# Altium PCB SEC_3002_DZ&HL.PcbDoc (part 6 of 7)
Units mm, origin at the board's own origin, x right, y up, seen from the top; angles counter-clockwise.
Board outline 200 x 170 mm, 2 copper layers (Top Layer, Bottom Layer); 589 components, 413 nets, 1696 pads, 1215 vias.
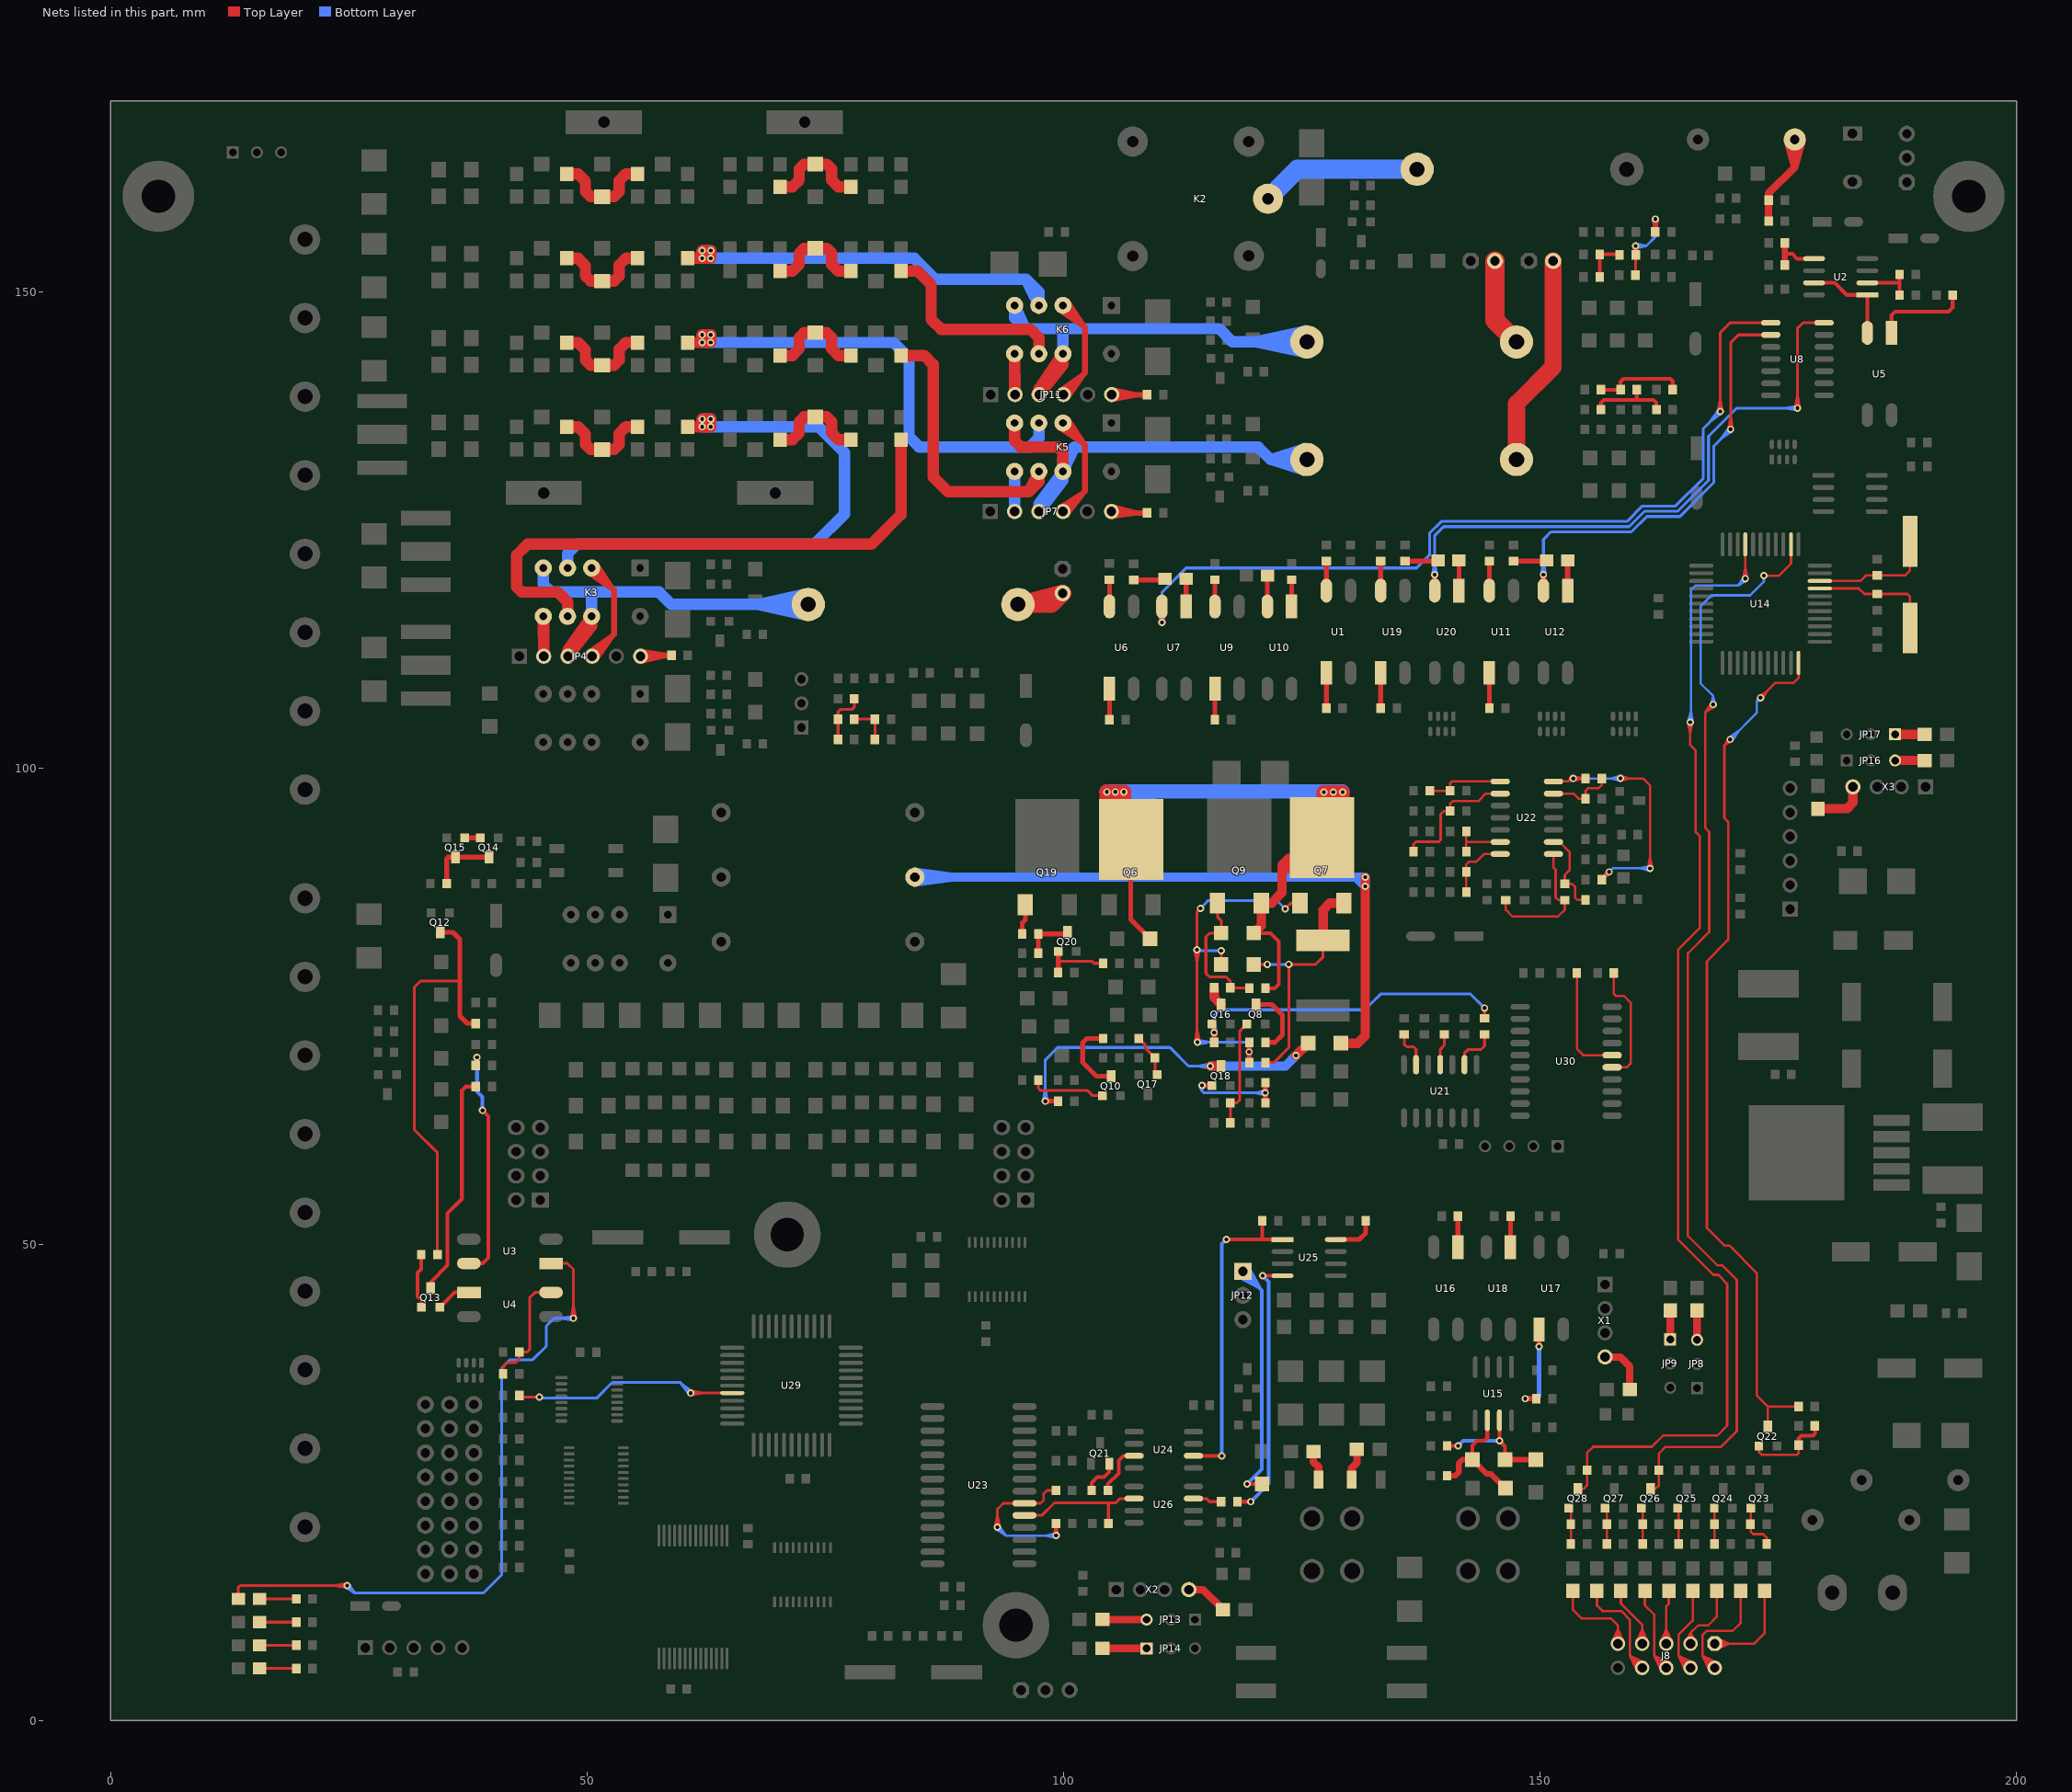
[diagram p6: the nets of this part, all layers, seen from the top]

## Via types
v1: diameter 0.762, hole 0.406, Top Layer to Bottom Layer, tented both sides, 786 vias
v2: diameter 0.7, hole 0.4, Top Layer to Bottom Layer, tented both sides, 375 vias
v3: diameter 1, hole 0.6, Top Layer to Bottom Layer, tented both sides, 41 vias
v4: diameter 0.9, hole 0.5, Top Layer to Bottom Layer, tented both sides, 4 vias
v5: diameter 0.8, hole 0.5, Top Layer to Bottom Layer, tented both sides, 4 vias
v6: diameter 1.016, hole 0.508, Top Layer to Bottom Layer, tented both sides, 3 vias
v7: diameter 0.9, hole 0.6, Top Layer to Bottom Layer, tented both sides, 1 vias
v8: diameter 0.762, hole 0.5, Top Layer to Bottom Layer, tented both sides, 1 vias

## Nets (pads, with @x,y where several pads share a name; then routed paths per layer and width w, separated by ;. In a path a pad name is that pad's centre, name@x,y a point inside that pad or via, vN(x,y) a via of type N, cw(c..) or ccw(c..) an arc to the next point about the centre after c; other vN are vias at no path point) (continued)
NetDZ2_K: DZ2.K DZ5.K Q6.C Q7.D Q9.S R104.2 | length 281.9
  Top Layer w0.4: DZ5.K@120.096,82.787 DZ5.K@119.961,82.652 121.713,82.652 122.586,81.78 122.586,77.294 122.143,76.852 R104.2@121.187,76.852
  Top Layer w0.508: Q6.C@107.298,90.198 107.04,89.94 107.04,84.084 DZ2.K@109.059,82.066 ; Q6.C@107.365,90.198 Q6.C@107.365,92.188
  Top Layer w1: DZ5.K@120.096,82.787 120.749,83.44 Q9.S@120.749,85.802 121.837,85.802 122.919,86.884 122.919,89.053 ; Q7.D@124.743,89.462 123.329,89.462 122.919,89.053 ; Q7.D@124.916,90.472 123.628,90.472 122.919,89.763 122.919,89.053
  Top Layer w1.5: Q6.C@104.529,94.606 v1(104.529,97.465) ; Q6.C@104.529,94.606 v1(105.429,97.465) ; Q6.C@104.529,94.606 v1(104.529,97.465) ; Q6.C@104.529,94.606 v1(104.529,97.465) ; v1(104.529,97.465) v1@104.578,97.465 ; v1(104.529,97.465) v1@104.529,97.514 ; v1(104.529,97.465) v1(105.429,97.465) ; v1(104.529,97.465) v1(105.429,97.465) ; v1(104.529,97.465) v1(105.429,97.465) ; v1(104.529,97.465) v1(105.429,97.465) ; v1(104.529,97.465) v1(106.328,97.465) ; v1(104.529,97.465) v1(105.429,97.465) ; v1(104.529,97.465) v1(105.429,97.465) ; v1(104.529,97.465) v1(105.429,97.465) ; v1(104.529,97.465) v1(105.429,97.465) ; v1(104.529,97.465) v1(105.429,97.465) ; v1(104.529,97.465) v1(105.429,97.465) ; v1(104.529,97.465) v1(105.429,97.465) ; v1(104.529,97.465) Q6.C@106.328,95.716 ; v1(104.529,97.465) v1(105.429,97.465) ; v1(104.529,97.465) Q6.C@106.328,95.716 ; v1(104.529,97.465) v1(105.429,97.465) ; v1(104.529,97.465) Q6.C@106.328,95.716 ; v1(104.529,97.465) v1(105.429,97.465) ; v1(104.529,97.465) Q6.C@106.328,95.716 ; v1(104.529,97.465) v1(105.429,97.465) ; v1@104.529,97.514 v1@104.578,97.465 ; v1@104.529,97.514 v1(105.429,97.465) ; v1@104.529,97.514 v1(105.429,97.465) ; v1@104.578,97.465 v1(105.429,97.465) ; v1@104.578,97.465 Q6.C@106.328,95.716 ; v1@104.578,97.465 v1(106.328,97.465) ; v1@104.578,97.465 v1(105.429,97.465) ; v1@104.578,97.465 v1(105.429,97.465) ; v1@104.578,97.465 v1(105.429,97.465) ; v1@104.578,97.465 v1(105.429,97.465) ; v1@104.578,97.465 v1(105.429,97.465) ; v1(105.429,97.465) v1(106.328,97.465) ; v1(105.429,97.465) v1(106.328,97.465) ; v1(105.429,97.465) v1(106.328,97.465) ; v1(105.429,97.465) v1(106.328,97.465) ; v1(105.429,97.465) Q6.C@106.328,95.716 ; v1(105.429,97.465) v1(106.328,97.465) ; v1(105.429,97.465) Q6.C@106.328,95.716 ; v1(105.429,97.465) Q6.C@106.328,95.716 ; Q6.C@106.328,95.716 106.328,93.225 Q6.C@107.077,92.475 107.077,94.966 Q6.C@106.328,95.716 ; Q6.C@106.328,95.716 v1(106.328,97.465) ; Q6.C@106.328,95.716 v1(106.328,97.465) ; Q7.D@127.312,92.867 v1(127.312,97.449) ; Q7.D@127.312,92.867 v1(127.312,97.449) ; Q7.D@127.312,92.867 v1(128.3,97.449) ; Q7.D@127.312,92.867 v1(128.3,97.449) ; Q7.D@127.312,92.867 v1(129.288,97.449) ; Q7.D@127.312,92.867 v1(129.288,97.449) ; v1(127.312,97.449) v1(128.3,97.449) ; v1(127.312,97.449) v1(128.3,97.449) ; v1(127.312,97.449) v1(128.3,97.449) ; v1(127.312,97.449) v1(128.3,97.449) ; v1(127.312,97.449) v1(129.288,97.449) ; v1(127.312,97.449) v1(129.288,97.449) ; v1(127.312,97.449) v1(129.288,97.449) ; v1(127.312,97.449) v1(129.288,97.449) ; v1(128.3,97.449) v1(129.288,97.449) ; v1(128.3,97.449) v1(129.288,97.449) ; v1(128.3,97.449) Q7.D@129.288,93.71 ; v1(128.3,97.449) v1(129.288,97.449) ; v1(128.3,97.449) v1(129.288,97.449) ; v1(128.3,97.449) v1(129.288,97.449) ; v1(128.3,97.449) v1(129.288,97.449) ; v1(128.3,97.449) v1(129.288,97.449) ; v1(128.3,97.449) v1(129.288,97.449) ; v1(128.3,97.449) v1(129.288,97.449) ; v1(128.3,97.449) v1(129.288,97.449) ; v1(128.3,97.449) v1(129.288,97.449) ; Q7.D@129.288,93.71 v1(129.288,97.449) ; Q7.D@129.288,93.71 v1(129.288,97.449) ; Q7.D@129.288,93.71 v1(129.288,97.449)
  Bottom Layer w1.5: 109.414,97.514 v1(104.529,97.465) ; 109.548,97.499 v1(104.529,97.465) ; 109.548,97.506 v1(104.529,97.465) ; 110.313,97.514 v1(105.429,97.465) ; 110.447,97.506 v1(105.429,97.465) ; 111.212,97.514 v1(106.328,97.465) ; 122.426,97.514 v1(127.312,97.449) ; 123.193,97.504 v1(128.3,97.449) ; 123.413,97.514 v1(128.3,97.449) ; 124.181,97.493 v1(129.288,97.449) ; 124.181,97.504 v1(129.288,97.449) ; 124.401,97.514 v1(129.288,97.449) ; v1(104.529,97.465) v1(106.328,97.465) ; v1(104.529,97.465) v1(105.429,97.465) ; v1(104.529,97.465) v1(105.429,97.465) ; v1(104.529,97.465) v1(105.429,97.465) ; v1(104.529,97.465) v1(105.429,97.465) ; v1@104.529,97.514 v1@129.288,97.514 ; v1@104.529,97.514 v1(106.328,97.465) ; v1@104.529,97.514 v1(105.429,97.465) ; v1@104.529,97.514 v1(105.429,97.465) ; v1(105.429,97.465) v1(106.328,97.465) ; v1(105.429,97.465) v1(106.328,97.465) ; v1(127.312,97.449) v1@129.288,97.514 ; v1(127.312,97.449) v1(128.3,97.449) ; v1(127.312,97.449) v1(128.3,97.449) ; v1(127.312,97.449) v1(129.288,97.449) ; v1(127.312,97.449) v1(129.288,97.449) ; v1(127.312,97.449) v1(129.288,97.449) ; v1(128.3,97.449) v1@129.288,97.514 ; v1(128.3,97.449) v1@129.288,97.514 ; v1(128.3,97.449) v1(129.288,97.449) ; v1(128.3,97.449) v1(129.288,97.449) ; v1(128.3,97.449) v1(129.288,97.449) ; v1(128.3,97.449) v1(129.288,97.449) ; v1(128.3,97.449) v1(129.288,97.449) ; v1(128.3,97.449) v1(129.288,97.449)
NetDZ4_A: DZ4.A Q7.G R97.1 R99.2 | length 59.8
  Top Layer w0.3: v1@113.772,80.872 114.002,79.612 ; v1@113.806,71.212 114.002,72.48 ; v1@114.002,71.197 v1(114.002,80.893) ; v1(114.037,71.197) 114.002,72.48 ; v1@114.232,80.872 114.002,79.612 ; v1@114.266,71.224 114.002,72.48 ; v1(114.362,85.238) 114.002,84.877 v1(114.002,80.893) ; DZ4.A@116.532,79.364 v1(116.532,80.812) ; v2@119.277,70.155 R97.1@119.487,69.064 ; v2@119.277,70.197 R99.2@119.487,71.18 ; v2@119.675,70.159 R97.1@119.487,69.064 ; v2@119.675,70.193 R99.2@119.487,71.18 ; v1(123.26,85.198) 123.865,85.802 Q7.G@124.805,85.802 ; 114.002,79.612 v1(114.002,80.893) ; R97.1@119.487,69.064 v2(119.476,70.175) R99.2@119.487,71.18 ; R97.1@119.487,69.064 R99.2@119.487,71.18
  Bottom Layer w0.3: v1(114.002,80.893) 114.084,80.812 v1(116.532,80.812) v1@116.451,80.893 ; v1(114.037,71.197) 119.186,71.197 119.476,70.907 119.476,70.785 ; v1@114.057,70.967 115.318,71.197 v1@114.057,71.427 ; v1(114.362,85.238) 115.192,86.067 ; 115.106,86.067 115.192,86.067 ; 119.101,86.067 115.192,86.067 ; v2@119.258,70.258 ccw(c118.731,70.785) 119.476,70.785 ; v2(119.476,70.175) 119.476,70.748 ; v2@119.673,70.273 cw(c120.147,70.748) 119.476,70.748 ; v1(123.26,85.198) 122.391,86.067 115.192,86.067 ; 119.476,70.748 119.476,70.785
NetDZ4_K: DZ4.K F5.1 Q7.S R97.2 | length 26.8
  Top Layer w0.3: DZ4.K@119.961,79.364 121.369,79.364 v1(121.374,79.369) ; R97.2@121.187,69.064 122.069,69.064 123.626,70.622 v1(123.626,79.369) 126.449,79.369 127.228,80.148 F5.1@127.228,81.88
  Top Layer w1: F5.1@127.228,81.88 127.228,85.092 127.938,85.802 Q7.S@129.405,85.802
  Bottom Layer w0.3: v1(121.374,79.369) v1(123.626,79.369)
NetDZ5_A: DZ5.A Q9.G R104.1 R107.2 | length 14.4
  Top Layer w0.3: Q9.G@116.149,85.802 116.149,84.353 116.532,83.969 DZ5.A@116.532,82.652 115.341,82.652 114.932,82.243 114.932,78.425 115.295,78.062 117.04,78.062 117.503,77.599 R107.2@117.503,76.902 R104.1@119.436,76.902
NetDZ6_A: DZ6.A Q18.C R106.2 | length 47.3
  Top Layer w0.3: v1(98.085,65.006) R106.2@99.423,65.006 ; v1@98.106,64.775 99.366,65.006 v1@98.106,65.236
  Top Layer w1: v1(115.386,68.689) Q18.C@116.532,68.689 ; v1(124.39,69.806) DZ6.A@125.679,71.094
  Bottom Layer w0.3: v1@97.855,65.026 98.085,66.287 v1@98.315,65.026 ; v1(98.085,65.006) 98.085,69.352 99.376,70.643 111.161,70.643 113.115,68.689 v1(115.386,68.689) 114.105,68.689 ; v1@115.365,68.458 114.105,68.689 ; v1@115.365,68.919 114.105,68.689
  Bottom Layer w1: v1(115.386,68.689) 123.273,68.689 ; 123.273,68.689 v1(124.39,69.806) 123.273,68.689
NetDZ6_K: DZ6.K R105.2 | length 91
  Top Layer w1: DZ6.K@129.108,71.094 130.856,71.094 131.66,71.898 v1(131.66,87.546) ; 131.66,84.165 v1(131.66,87.546) ; v1(131.66,87.546) v1(131.66,88.525) v1(131.66,87.546)
  Bottom Layer w1: R105.2@84.387,88.525 v1(131.66,88.525) ; R105.2@84.418,88.026 88.387,88.525 R105.2@84.418,89.024 ; 128.279,88.525 v1(131.66,88.525) ; 130.717,88.489 v1(131.66,87.546) ; 130.717,88.489 v1(131.66,87.546) ; 130.717,88.489 v1(131.66,88.525) ; 130.717,88.489 v1(131.66,88.525) ; v1(131.66,87.546) v1(131.66,88.525) ; v1(131.66,87.546) v1(131.66,88.525) ; v1(131.66,87.546) v1(131.66,88.525) ; v1(131.66,87.546) v1(131.66,88.525)
NetF1_2: F1.2 K2.1 | length 24.7
  Bottom Layer w2: K2.1@121.448,159.744 124.537,162.833 F1.2@137.102,162.833 129.352,162.833
NetF2_1: F2.1 JP4.3 K3.5 K3.10 | length 72.1
  Top Layer w1.2: JP4.3@48.019,111.769 K3.10@50.473,115.9 ; JP4.3@47.978,112.402 50.473,114.898 ; JP4.3@47.978,112.402 JP4.3@47.978,111.717 50.473,114.898 ; JP4.3@47.978,112.402 K3.10@50.473,115.9 ; 50.473,114.898 K3.10@50.473,115.9 ; 50.473,114.898 K3.10@50.473,115.9 ; 50.473,114.898 K3.10@50.473,115.9 ; 50.473,114.898 K3.10@50.473,115.9
  Bottom Layer w1.2: K3.10@50.473,115.9 50.473,118.367 50.384,118.456 ; F2.1@73.08,116.005 67.853,117.148 ; F2.1@73.08,118.292 67.853,117.148 ; 45.393,119.287 K3.5@45.393,120.98 45.393,119.287 ; 45.393,119.287 46.224,118.456 50.384,118.456 ; 50.384,118.456 57.543,118.456 58.851,117.148 F2.1@73.203,117.148 67.853,117.148
NetF2_2: F2.2 JP3.2 | length 13.4
  Top Layer w1.8: 98.72,117.148 JP3.2@99.902,118.33 ; 98.72,117.148 F2.2@95.203,117.148 JP3.2@99.902,118.33 ; 98.72,117.148 JP3.2@99.902,118.33 ; 98.72,117.148 JP3.2@99.902,118.33
NetF3_1: F3.1 JP7.3 K5.5 K5.10 | length 80.1
  Top Layer w1.2: K5.10@99.938,131.12 99.938,133.137 99.387,133.687 95.495,133.687 94.858,134.325 ; 94.858,134.325 K5.5@94.858,136.2 94.858,134.325
  Bottom Layer w1.2: JP7.3@97.487,127.017 K5.10@99.938,131.12 ; F3.1@125.193,131.269 123.572,132.368 ; F3.1@125.193,133.467 123.572,132.368 ; F3.1@125.357,131.231 121.722,132.368 ; F3.1@125.357,133.505 121.722,132.368 ; JP7.3@97.398,127.669 99.938,130.209 ; JP7.3@97.398,127.669 JP7.3@97.398,126.901 99.938,130.209 ; JP7.3@97.398,127.669 K5.10@99.938,131.12 ; 99.938,130.209 K5.10@99.938,131.12 ; 99.938,130.209 K5.10@99.938,131.12 ; 99.938,130.209 K5.10@99.938,131.12 ; 99.938,130.209 K5.10@99.938,131.12 ; K5.10@99.938,131.12 99.938,132.475 ; K5.10@99.938,131.12 101.128,133.665 ; K5.10@99.938,131.12 99.938,132.475 ; 99.938,132.475 101.128,133.665 ; 101.128,133.665 120.425,133.665 121.722,132.368 ; 121.722,132.368 123.572,132.368 ; 121.722,132.368 F3.1@125.531,132.368 123.572,132.368
NetF3_2: F3.2 JP6.2 | length 28.7
  Top Layer w1.8: F3.2@147.531,132.368 147.531,138.233 151.374,142.075 JP6.2@151.374,153.204 151.374,146.954
NetF4_1: F4.1 JP11.3 K6.5 K6.10 | length 78.9
  Top Layer w1.2: JP11.3@97.498,139.266 K6.10@99.938,143.468 ; K6.10@99.938,143.46 99.938,142.307 ; JP11.3@97.436,139.805 JP11.3@97.436,139.189 99.938,142.307 ; JP11.3@97.436,139.805 99.938,142.307 ; JP11.3@97.436,139.805 K6.10@99.938,143.468 ; 99.938,142.307 K6.10@99.938,143.468 ; 99.938,142.307 K6.10@99.938,143.468 ; 99.938,142.307 K6.10@99.938,143.468
  Bottom Layer w1.2: K6.5@94.858,148.54 94.858,147.216 ; K6.10@99.938,143.468 99.938,145.866 ; F4.1@125.407,143.573 120.181,144.717 ; F4.1@125.407,145.86 120.181,144.717 ; 94.858,147.216 95.978,146.095 ; 94.858,147.216 K6.5@94.858,148.548 ; 94.858,147.216 K6.5@94.858,148.548 ; K6.5@94.858,148.548 95.978,146.095 ; 95.978,146.095 116.343,146.095 117.721,144.717 F4.1@125.531,144.717 120.181,144.717
NetF4_2: F4.2 JP10.2 | length 18.6
  Top Layer w2: JP10.2@145.272,153.006 145.272,146.976 ; JP10.2@145.272,153.204 145.272,146.976 ; 145.272,146.976 F4.2@147.531,144.717 145.272,146.976
NetF6_2: F6.2 L32.2 | length 3.2
  Top Layer w0.8: L32.2@126.212,28.232 126.212,27.145 126.759,26.598 F6.2@126.759,25.264
NetF7_2: F7.2 L33.2 | length 3.4
  Top Layer w0.8: F7.2@130.235,25.264 130.235,26.504 130.782,27.051 L33.2@130.782,28.441
NetH1_A: H1.A R49.2 | length 3.9
  Top Layer w0.305: H1.A@15.596,12.753 R49.2@19.464,12.753
NetH1_K: H1.K U3.1 | length 82.9
  Top Layer w0.3: H1.K@13.386,12.753 13.386,13.977 13.571,14.161 v1(24.796,14.161) 23.515,14.161 ; v1@24.775,13.931 23.515,14.161 ; v1@24.775,14.391 23.515,14.161 ; U3.1@46.208,47.972 47.932,47.972 48.552,47.352 v1(48.552,42.215) ; v1@48.322,42.236 48.552,43.496 v1@48.782,42.236
  Bottom Layer w0.3: v1@24.651,13.982 25.573,13.385 ; v1(24.796,14.161) 25.573,13.385 ; v1@24.975,14.307 25.573,13.385 ; v1@48.531,41.985 47.271,42.215 ; v1@48.531,42.446 47.271,42.215 ; 25.573,13.385 39.118,13.385 41.021,15.288 41.021,36.981 41.9,37.86 44.276,37.86 45.704,39.288 45.704,41.388 46.531,42.215 v1(48.552,42.215) 47.271,42.215
NetH2_A: H2.A R25.2 | length 3.2
  Top Layer w0.5: R25.2@107.352,119.726 H2.A@110.533,119.726
NetH2_K: H2.K U7.1 | length 2.9
  Top Layer w0.5: U7.1@112.859,116.937 H2.K@112.859,119.842
NetH3_A: H3.A U10.2 | length 3.2
  Top Layer w0.5: U10.2@121.389,116.937 H3.A@121.389,120.181
NetH4_A: H4.A R47.2 | length 3.4
  Top Layer w0.5: R47.2@147.222,121.696 H4.A@150.593,121.696
NetH4_K: H4.K U12.1 | length 3.2
  Top Layer w0.6: U12.1@152.897,118.602 H4.K@152.897,121.79
NetH5_A: H5.A R91.2 | length 3.4
  Top Layer w0.5: R91.2@135.819,121.696 H5.A@139.189,121.696
NetH5_K: H5.K U20.1 | length 3.2
  Top Layer w0.5: U20.1@141.494,118.602 H5.K@141.494,121.79
NetH6_A: H6.A R159.2 | length 3.9
  Top Layer w0.305: H6.A@15.596,7.889 R159.2@19.464,7.889
NetH7_A: H7.A R163.2 | length 3.9
  Top Layer w0.305: H7.A@15.596,5.457 R163.2@19.464,5.457
NetH8_A: H8.A R169.2 | length 3.9
  Top Layer w0.305: H8.A@15.596,10.321 R169.2@19.464,10.321
NetJ8_1: J8.1 L2.1 | length 19.2
  Top Layer w0.25: J8.1@168.337,8.061 172.489,8.061 173.555,9.126 L2.1@173.555,13.592 ; J8.1@168.344,7.924 169.849,8.061 ; J8.1@168.344,8.197 169.849,8.061 ; J8.1@168.387,7.677 169.849,8.061 ; J8.1@168.387,8.444 169.849,8.061 ; J8.1@168.472,7.438 169.849,8.061 ; J8.1@168.472,8.683 169.849,8.061
NetJ8_2: J8.2 L3.1 | length 24.4
  Top Layer w0.25: J8.2@167.814,5.157 167.067,6.791 ; J8.2@168.036,5.278 167.067,6.791 ; J8.2@168.237,5.427 167.067,6.791 ; J8.2@168.43,5.621 167.067,6.791 ; J8.2@168.58,5.822 167.067,6.791 ; J8.2@168.701,6.044 167.067,6.791 ; L3.1@171.044,13.592 171.044,10.217 170.24,9.413 167.503,9.413 167.067,8.978 167.067,6.791 ; 167.067,6.791 J8.2@168.337,5.521 167.067,6.791
NetJ8_3: J8.3 L4.1 | length 14
  Top Layer w0.25: J8.3@165.187,8.242 165.797,9.176 ; J8.3@165.416,8.128 165.797,9.176 ; J8.3@165.661,8.069 165.797,9.176 ; J8.3@165.797,8.061 165.797,9.176 ; J8.3@165.934,8.069 165.797,9.176 ; J8.3@166.178,8.128 165.797,9.176 ; J8.3@166.408,8.242 165.797,9.176 ; L4.1@168.533,13.592 168.533,10.866 167.647,9.98 166.601,9.98 165.797,9.176
NetJ8_4: J8.4 L5.1 | length 21.8
  Top Layer w0.25: J8.4@165.274,5.157 164.527,6.791 ; J8.4@165.496,5.278 164.527,6.791 ; J8.4@165.697,5.427 164.527,6.791 ; J8.4@165.89,5.621 164.527,6.791 ; L5.1@166.021,13.592 166.021,10.49 164.527,8.996 164.527,6.791 ; J8.4@166.04,5.822 164.527,6.791 ; J8.4@166.161,6.044 164.527,6.791 ; 164.527,6.791 J8.4@165.797,5.521 164.527,6.791
NetJ8_5: J8.5 L6.1 | length 14.7
  Top Layer w0.25: J8.5@162.635,8.195 163.257,9.573 ; J8.5@162.874,8.11 163.257,9.573 ; J8.5@163.12,8.067 163.257,9.573 ; J8.5@163.257,8.061 163.257,11.975 163.51,12.228 L6.1@163.51,13.592 ; J8.5@163.394,8.067 163.257,9.573 ; J8.5@163.641,8.11 163.257,9.573 ; J8.5@163.88,8.195 163.257,9.573
NetJ8_6: J8.6 L7.2 | length 21.6
  Top Layer w0.25: L7.2@160.999,13.592 160.999,12.096 161.987,11.107 161.987,6.791 ; J8.6@162.734,5.157 161.987,6.791 ; J8.6@162.956,5.278 161.987,6.791 ; J8.6@163.157,5.427 161.987,6.791 ; J8.6@163.35,5.621 161.987,6.791 ; J8.6@163.5,5.822 161.987,6.791 ; J8.6@163.621,6.044 161.987,6.791 ; 161.987,6.791 J8.6@163.257,5.521 161.987,6.791
NetJ8_7: J8.7 L8.1 | length 15.5
  Top Layer w0.25: L8.1@158.487,13.592 158.487,12.276 160.717,10.046 J8.7@160.717,8.061 ; J8.7@160.095,8.195 160.717,9.573 ; J8.7@160.334,8.11 160.717,9.573 ; J8.7@160.58,8.067 160.717,9.573 ; J8.7@160.854,8.067 160.717,9.573 ; J8.7@161.101,8.11 160.717,9.573 ; J8.7@161.34,8.195 160.717,9.573
NetJ8_8: J8.8 L25.1 | length 23.8
  Top Layer w0.25: L25.1@155.976,13.592 155.976,12.063 156.556,11.483 158.517,11.483 159.447,10.553 159.447,6.791 ; J8.8@160.194,5.157 159.447,6.791 ; J8.8@160.416,5.278 159.447,6.791 ; J8.8@160.617,5.427 159.447,6.791 ; J8.8@160.81,5.621 159.447,6.791 ; J8.8@160.96,5.822 159.447,6.791 ; J8.8@161.081,6.044 159.447,6.791 ; 159.447,6.791 J8.8@160.717,5.521 159.447,6.791
NetJ8_9: J8.9 L26.2 | length 18.3
  Top Layer w0.25: L26.2@153.465,13.592 153.465,11.611 154.355,10.721 157.406,10.721 158.177,9.949 J8.9@158.177,8.061 ; J8.9@157.555,8.195 158.177,9.573 ; J8.9@157.794,8.11 158.177,9.573 ; J8.9@158.04,8.067 158.177,9.573 ; J8.9@158.314,8.067 158.177,9.573 ; J8.9@158.561,8.11 158.177,9.573 ; J8.9@158.8,8.195 158.177,9.573
NetJP4_2: JP4.2 K3.8 | length 8.4
  Top Layer w1.2: K3.8@45.393,115.9 45.438,115.855 JP4.2@45.438,111.717 K3.8@45.393,115.9
NetJP4_4: JP4.4 K3.3 | length 23.2
  Top Layer w0.6: K3.3@50.092,120.515 52.648,118.805 K3.3@50.939,121.362 ; JP4.4@50.196,112.1 52.591,113.79 JP4.4@50.901,111.395 ; K3.3@50.473,120.98 52.825,118.629 52.825,114.024 JP4.4@50.518,111.717
NetJP4_6: JP4.6 R17.2 | length 11
  Top Layer w0.6: JP4.6@55.598,111.717 58.204,111.811 ; JP4.6@55.628,112.217 58.204,111.811 ; JP4.6@55.664,111.222 58.204,111.811 ; JP4.6@55.736,111.58 55.967,111.811 R17.2@58.853,111.811
NetJP7_2: JP7.2 K5.8 | length 8.4
  Bottom Layer w1.2: JP7.2@94.858,126.901 K5.8@94.858,131.12 JP7.2@94.858,126.901
NetJP7_4: JP7.4 K5.3 | length 26
  Top Layer w0.6: K5.3@99.556,135.735 102.112,134.025 K5.3@100.403,136.582 ; JP7.4@99.631,127.296 102.065,128.868 ; JP7.4@99.938,126.901 102.065,128.868 ; K5.3@99.938,136.2 102.251,133.887 102.251,129.054 JP7.4@100.06,126.863 ; JP7.4@100.307,126.565 102.065,128.868
NetJP7_6: JP7.6 R39.2 | length 11.5
  Top Layer w0.6: JP7.6@105.018,126.901 107.627,126.757 ; JP7.6@105.038,126.402 107.627,126.757 ; JP7.6@105.093,127.396 107.627,126.757 ; JP7.6@105.161,126.757 R39.2@108.772,126.757
NetJP8_3: JP8.3 L28.2 | length 3.1
  Top Layer w0.8: JP8.3@166.487,39.957 L28.2@166.487,43.028
NetJP9_1: JP9.1 L29.2 | length 3